# Altium PCB LAUNCHXL-F28379D-REV2.0.PcbDoc (part 4 of 4)
Units mil, origin at the board's own origin, x right, y up, seen from the top; angles counter-clockwise.
Board outline 5110 x 2300 mil, 6 copper layers (Top, GND, Route1, Route2, VDD, Bottom), stack 61.008 mil thick; 247 components, 311 nets, 1123 pads, 621 vias.
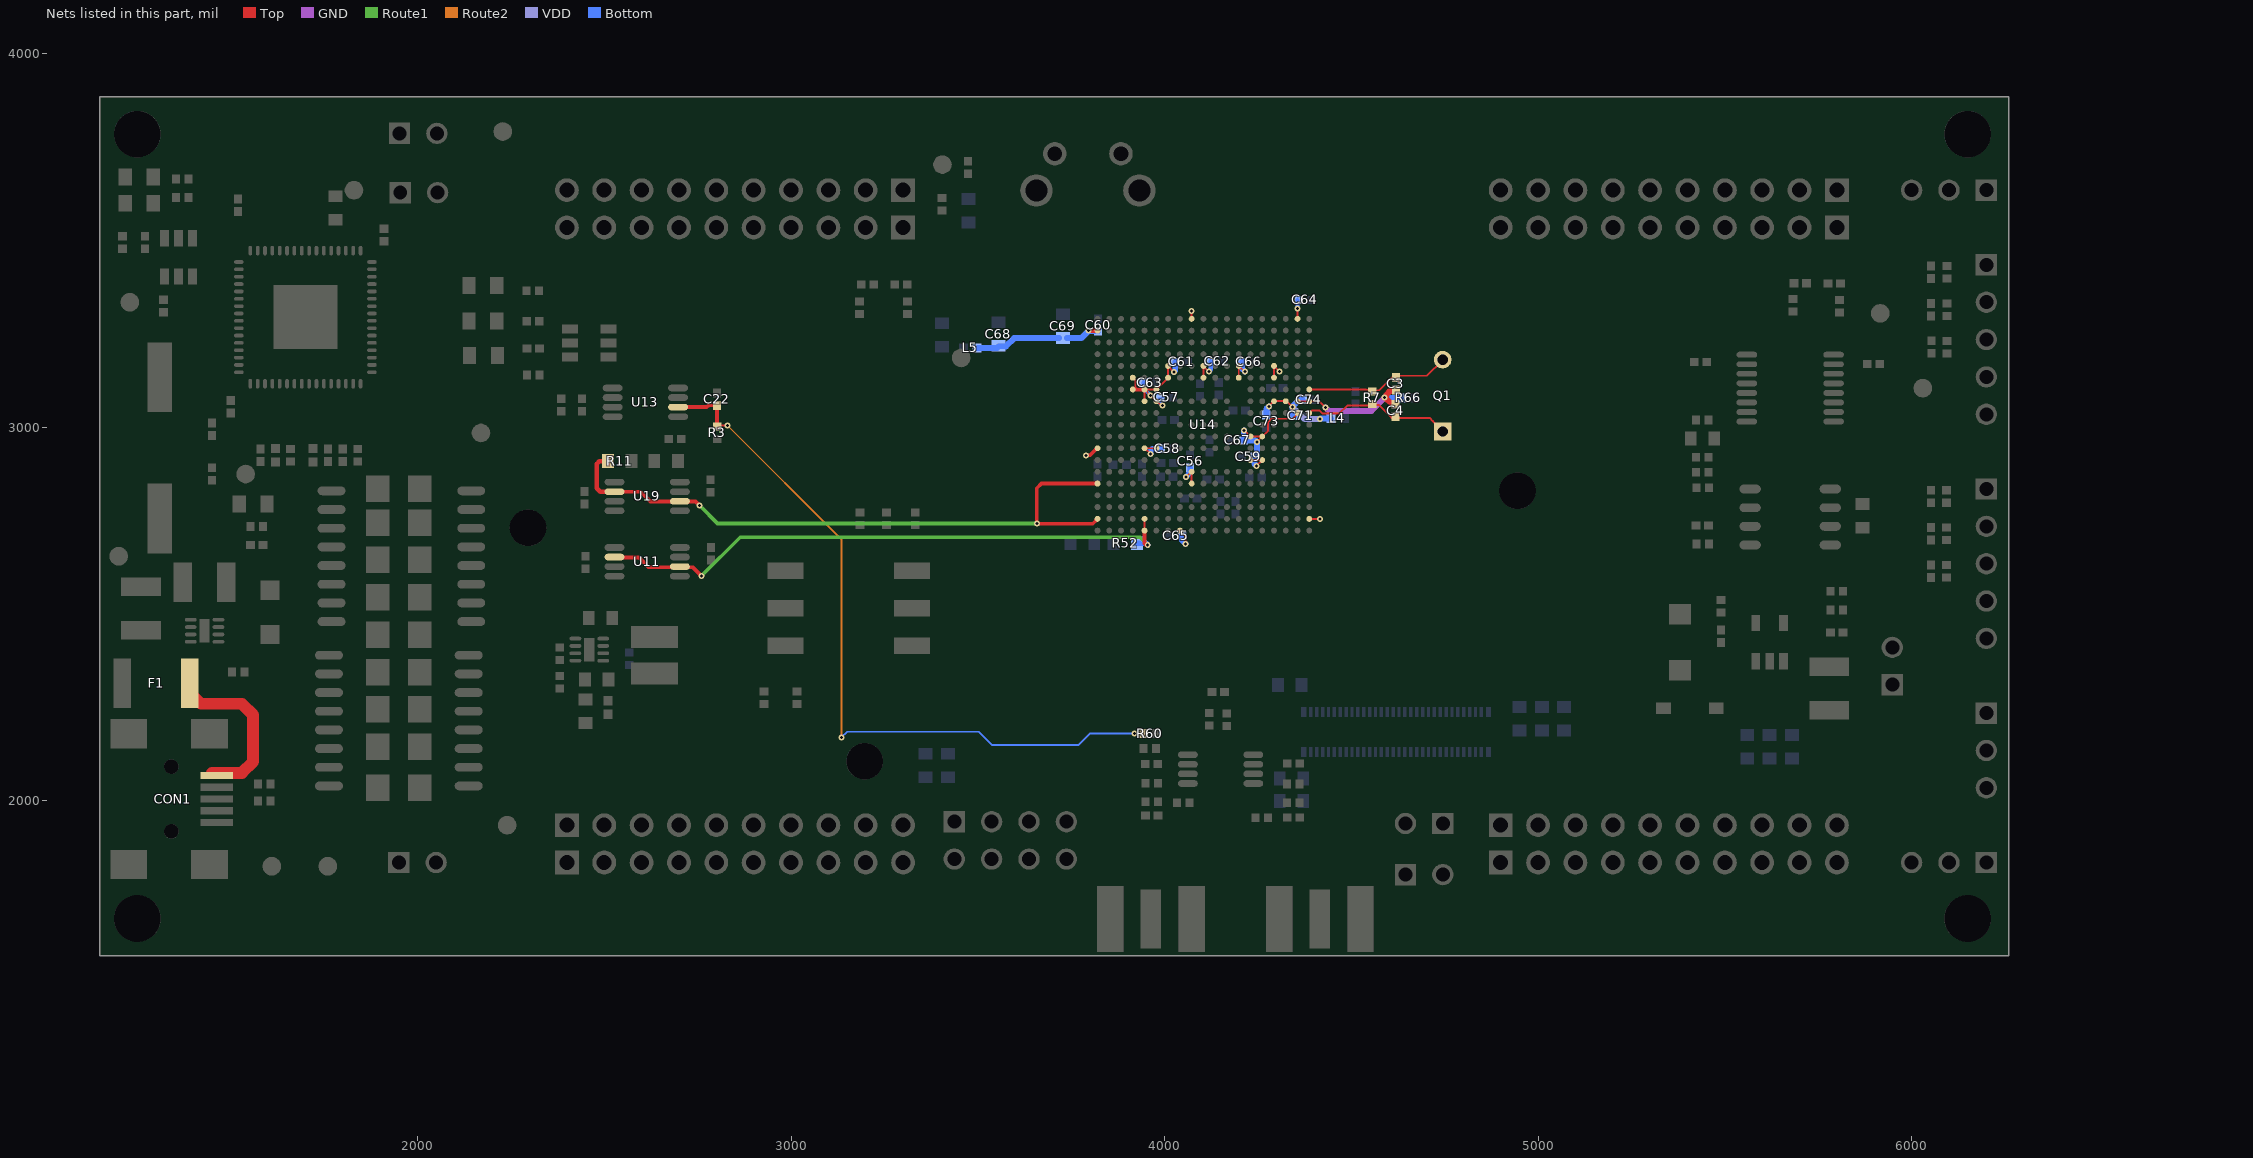
[diagram p8: the nets of this part, all layers, seen from the top]

## Via types
v1: diameter 16/16/16/16/16/16 (per signal layer), hole 8, Top to Bottom, tented both sides, 453 vias
v2: diameter 20/20/20/20/20/20 (per signal layer), hole 12, Top to Bottom, tented both sides, 122 vias
v3: diameter 16, hole 8, Top to Bottom, tented both sides, 22 vias
v4: diameter 20, hole 8, Top to Bottom, tented both sides, 16 vias
v5: diameter 23/23/23/23/23/23 (per signal layer), hole 15, Top to Bottom, tented both sides, 4 vias
v6: diameter 20, hole 12, Top to Bottom, tented both sides, 4 vias

## Nets (pads, with @x,y where several pads share a name; then routed paths per layer and width w, separated by ;. In a path a pad name is that pad's centre, name@x,y a point inside that pad or via, vN(x,y) a via of type N, cw(c..) or ccw(c..) an arc to the next point about the centre after c; other vN are vias at no path point) (continued)
VDDIO: C56.2 C57.1 C58.2 C59.2 C60.2 C61.2 C62.2 C63.2 C64.2 C65.2 C66.2 C67.2 C68.2 C69.2 L5.2 U14.A9 U14.A18 U14.B1 U14.E7 U14.E10 U14.E13 U14.E16 U14.F4 U14.F7 U14.F10 U14.F13 U14.F16 U14.G4 U14.G5 U14.G6 U14.H5 U14.H6 U14.J18 U14.L14 U14.L15 U14.M1 U14.M5 U14.M6 U14.N14 U14.N15 U14.P9 U14.R9 U14.V19 U14.W8 | length 1774.1
  Top w5: U14.F4@3915.06,3132.98 3922,3126.04 U14.G4@3922,3101.49 ; U14.M5@3946.56,2944.01 U14.M5@3947.01,2944.01 ; U14.H5@3946.56,3069.99 3946.56,3101.44 v1(3963,3085) v1(3963,3085) U14.H6@3978.06,3069.99 3979.01,3069.99 3992,3058 v1(3994,3058) ; U14.G5@3946.56,3101.49 U14.G6@3978.06,3101.49 ; v1(3963,2929) U14.M5@3947.01,2944.01 ; U14.M6@3978.06,2944.01 U14.M5@3947.01,2944.01 ; U14.G6@3978.51,3101.49 3978.51,3101.94 U14.F7@4009.55,3132.98 U14.E7@4009.55,3163.45 ; U14.E7@4009.55,3164.48 U14.E7@4009.55,3163.45 ; v1(4025,3148) U14.E7@4009.55,3163.45 ; U14.W8@4042.46,2723.54 U14.W8@4041.05,2723.54 4051.5,2713.08 4056.5,2707.58 v1(4056.5,2688) ; v1(4057,2867) 4071.02,2881.02 U14.P9@4072.54,2881.02 U14.R9@4072.54,2849.52 ; v1(4072,3312) 4072.54,3310.46 U14.A9@4072.54,3290.46 ; U14.F10@4104.04,3132.98 U14.E10@4104.04,3162.96 ; U14.E10@4104.04,3164.48 U14.E10@4104.04,3162.96 ; v1(4119,3149) U14.E10@4104.04,3162.96 ; U14.F13@4198.53,3132.98 U14.E13@4198.53,3163.47 ; U14.E13@4198.53,3164.48 U14.E13@4198.53,3163.47 ; v1(4213,2992) 4229.5,2975.5 U14.L15@4261.52,2975.5 ; v1(4215,3149) U14.E13@4198.53,3163.47 ; U14.N14@4230.02,2912.51 U14.N15@4261.52,2912.51 v1(4246,2897) ; v1(4247,2961) U14.L15@4261.52,2975.5 ; U14.F16@4293.02,3132.98 U14.E16@4293.02,3163.98 ; U14.E16@4293.02,3164.48 U14.E16@4293.02,3163.98 ; v1(4308,3149) U14.E16@4293.02,3163.98 ; U14.J18@4356.01,3038.5 4356.01,3036.01 4343,3023 4286,3023 4277,3014 4277,2990.98 U14.L15@4261.52,2975.5 ; U14.A18@4356.01,3290.46 4356.01,3313.99 v1(4356,3318) ; U14.V19@4387.5,2755.03 v1@4414.97,2755.03 ; v1@4415,2755 v1(4416,2755)
  Top w10: v1(3790,2925) 3800,2925 3819.01,2944.01 U14.M1@3820.58,2944.01 ; U14.G4@3922,3101.49 U14.G5@3946.56,3101.49 ; U14.G6@3978.06,3101.49 3978.51,3101.49 U14.G6@3979,3101
  Top w12: v1(3797,3259) U14.B1@3820.58,3258.97
  Bottom w5: C57.1@3985,3075.32 3989.49,3077.57 C57.1@3997.04,3081.35 ; v1(4025,3148) v1@4025.2,3148.8 ; v1(4119,3149) v1@4120.8,3149.8 ; v1@4243.55,2902 v1(4246,2897)
  Bottom w10: C63.2@3943.27,3120 3943.27,3104.73 v1(3963,3085) ; C57.1@3985,3075.32 3985,3067 v1(3994,3058) ; C61.2@4026.2,3175 C61.2@4026.2,3176.96 ; C67.2@4206,2967 4206,2966 4205.5,2966 4206.5,2965 C67.2@4211.73,2965 ; C59.2@4243.14,2921.41 4243.14,2899.86 v1(4246,2897) ; v1(4356,3318) 4356,3341 C64.2@4356.24,3341.24
  Bottom w12: v1(4119,3149) 4123.75,3153.75 C62.2@4123.75,3176.35
  Bottom w15: v1(3797,3259) 3798.73,3257.27 C60.2@3822,3257.27 ; v1(3963,2929) 3963,2938 3967.76,2942.76 C58.2@3989.96,2942.76 ; v1(4025,3148) 4028.27,3151.27 C61.2@4028.27,3175 ; C65.2@4046.73,2710 4046.73,2697.77 v1(4056.5,2688) ; v1(4057,2867) 4068.61,2878.61 C56.2@4068.61,2892.5 ; C66.2@4208.27,3175 4208.27,3155.73 v1(4215,3149) ; C67.2@4211.73,2965 4211.73,2990.73 v1(4213,2992)
  Bottom w16: L5.2@3499.79,3212.69 3551.63,3212.69 3555.17,3216.23 3556,3217 3556.16,3217.16 3575.32,3216.73 3597.58,3239 C69.2@3717.98,3239 ; C69.2@3738.4,3239 3777,3239 v1(3797,3259) ; C67.2@4211.73,2965 4243,2965 v1(4247,2961) 4247,2925.27 C59.2@4243.14,2921.41 ; C59.2@4240.19,2921.41 4240.19,2902.81 v1@4243.14,2899.86
VDDOSC: C71.2 C73.2 C74.2 L4.2 U14.H16 U14.H17 | length 280.3
  Top w5: v1(4279,3056) 4294,3071 4326,3071 v1(4342,3055)
  VDD w16: v1(4342,3055) 4351.69,3045 4374.69,3022 v1@4416,3022
  Bottom w5: L4.2@4435,3023 L4.2@4434.98,3023.45
  Bottom w16: C73.2@4272.32,3033.17 4272.32,3049.32 v1(4279,3056) ; C71.2@4346.91,3030.68 4342,3035.59 v1(4342,3055) 4360.8,3073.8 C74.2@4368.91,3073.8 ; v1(4416,3023) 4416.88,3023.88 L4.2@4445.21,3023.88
VOCM: C22.2 R3.1 R60.1 U13.6 | length 1996.7
  Top w5: R3.1@2802.41,3001.94 2805.47,3005 v3(2830,3005) ; v3(3920,2180) R60.1@3943.27,2180
  Top w10: U13.6@2697.6,3054.2 2774.2,3054.2 2778.83,3058.83 C22.2@2801.74,3058.83 2801.74,3005.56 2801.74,3002.61 R3.1@2802.41,3001.94
  Top w12: R3.1@2801.06,3006.24 2801.74,3005.56 R3.1@2802.41,3004.89
  Route2 w5: v3(2830,3005) 3135,2700 v3(3135,2170)
  Bottom w5: v3(3135,2170) 3150,2185 3502.5,2185 3537.5,2150 3770,2150 3800,2180 v3(3920,2180)
VREFHIA: R11.2 U14.R1 U14.V1 U19.2 U19.6 | length 1747.6
  Top w10: U19.6@2529.89,2827.3 2597.7,2827.3 2623.5,2801.5 2702.91,2801.5 2703.11,2801.7 2703.44,2801.37 2744.63,2801.37 v1(2755.5,2790.5) ; U14.R1@3820.09,2850 U14.R1@3820.58,2849.52 3670.52,2849.52 3658,2837 3658,2742 v1(3658.5,2742.5) 3659,2742 3807.54,2742 U14.V1@3820.58,2755.03
  Top w12: R11.2@2509.9,2909.36 2509.54,2909 2487,2909 2480,2902 2480,2837 2489.7,2827.3 U19.6@2529.89,2827.3
  Route1 w10: v1(2755.5,2790.5) 2803.5,2742.5 v1(3658.5,2742.5)
VREFHIB: R52.2 U11.2 U11.6 U14.V5 U14.W5 | length 1607.4
  Top w5: U14.W5@3946.56,2723.54 U14.V5@3946.56,2755.03
  Top w10: U11.6@2526.89,2651.3 2592.7,2651.3 2618.5,2625.5 2699.91,2625.5 2700.22,2625.81 2736.19,2625.81 v1(2760.5,2602.5) ; U14.W5@3946.56,2723.54 3946.56,2688.56 3950.12,2685 v1(3955,2685)
  Route1 w10: v1(2760.5,2602.5) 2864,2706 3934,2706 v1(3955,2685)
  Bottom w5: R52.2@3919.13,2687.57 R52.2@3919.55,2688
  Bottom w15: R52.2@3926.5,2690 3950,2690 v1(3955,2685)
VSSOSC: C3.2 C4.2 R66.1 U14.H18 U14.H19 | length 377
  Top w5: U14.H18@4356.01,3069.99 4414.01,3069.99 v1(4431,3053)
  Top w16: C4.2@4618.72,3064.77 4607.23,3064.77 v1(4589,3080) 4602.74,3096.74 C3.2@4619.11,3096.74
  GND w16: v1(4431,3053) 4440,3044 4554,3044 v1(4589,3080)
  Bottom w16: v1(4589,3080) 4590,3079 R66.1@4633.32,3079
X1: C3.1 Q1.2 R7.2 U14.G19 | length 393
  Top w5: U14.G19@4387.5,3101.49 4539.99,3101.49 4556.13,3099.35 4575.35,3099.35 4614,3138 C3.1@4617.22,3138 ; C3.1@4619.11,3136.11 C3.1@4617.22,3138 ; Q1.2@4744.54,3180.02 4701.52,3138 C3.1@4617.22,3138
X2: C4.1 Q1.1 R7.1 U14.J19 | length 401.1
  Top w5: U14.J19@4387.5,3038.5 4394.01,3045 4415.5,3045 4423.5,3037 4466.93,3037 4490,3059 4543.11,3059 4556.13,3059.98 4573.02,3059.98 4607.6,3025.4 4709.85,3025.4 4718.39,3016.87 Q1.1@4744.54,2990.02
XUSB: CON1.1 F1.1 | length 470
  Top w5: CON1.1@1459.11,2067.99 CON1.1@1459.11,2070.89
  Top w32: F1.1@1390.55,2315 1390.55,2289.45 1420,2260 1530,2260 1560,2230 1560,2105 1530,2075 CON1.1@1450,2075
pads on no net: CON1.4 CON1.6 CON1.7 CON1.8 CON1.9 CON1.10 CON1.11 J9.0 S3.3 S3.4 U5.7 U6.22 U6.23 U6.24 U6.26 U6.27 U6.28 U6.29 U6.30 U6.33 U6.34 U6.43 U6.44 U6.45 U6.46 U6.48 U6.52 U6.53 U6.57 U6.58 U6.59 U7.6 U7.11 U11.1 U11.5 U11.8 U13.1 U13.3 U13.7 U13.8 U19.1 U19.5 U19.8

## Polygon pours and split planes (outlines as drawn)
GND on Top "Top-GND" (solid, remove dead copper, pour order 0): 5470,2436 5517.43,2436 5667.43,2436 5694.49,2463.06 5693.99,2599.56 5707.43,2613 5794.5,2613 5794.5,2550 5770,2550 5744.5,2524.5 5744.5,2433.07 5761.57,2416 5830,2416 5830,2354.43 5821.57,2346 5737.43,2346 5673.43,2410 5645.57,2410 5619.5,2383.93 5593.43,2410 5555.57,2410 5544.5,2398.93 5544.5,2346 5482,2346 5470,2358
GND on Top "Top-GND 1" (solid, remove dead copper, pour order 2): 2275,2110 2167.93,2110 2155,2097.07 2155,2082.93 2177.93,2060 2217.93,2060 2235,2042.93 2235,2027.07 2207.93,2000 2082.07,2000 2065,2017.07 2065,2080 2037.93,2080 1995,2037.07 1995,2027.07 1975,2007.07 1975,1992.93 2037.93,1930 2117.93,1930 2137.93,1910 2275,1910
GND on Top "Top-GND 2" (solid, remove dead copper, pour order 4): 2399.79,2535.5 2475.5,2535.5 2475.5,2359.79 2470.5,2354.79 2470.5,2254.5 2429.5,2254.5 2429.5,2309.79 2424.5,2314.79 2424.5,2355.5 2429.79,2355.5 2444.5,2370.21 2444.5,2444.79 2434.79,2454.5 2399.79,2454.5 2389.5,2464.79 2389.5,2525.21
GND on Top "Top-GND 3" (solid, remove dead copper, pour order 8): 4429.46,3145 4490,3145 4535,3190 4565.46,3190 4642.5,3267.04 4684.96,3309.5 4811.55,3309.5 4842.5,3278.02 4842.5,2877.94 4824.01,2860 4684.46,2860 4604.96,2939.5 4425.96,2939.5 4420.5,2944.96 4420.5,2977.04 4425.96,2982.5 4613.96,2982.5 4630.46,2999 4675,2999 4691.5,2982.5 4691.5,2971.04 4714.04,2948.5 4771.96,2948.5 4782.5,2959.04 4782.5,3201.96 4766.96,3217.5 4723.04,3217.5 4704.5,3198.96 4704.5,3184.5 4676,3156 4600.54,3156 4564.54,3120 4535,3120 4530,3115 4429.46,3115 4424.47,3120 4424.47,3140
+3V3 on Top "Top-+3V3" (solid, remove dead copper, pour order 14): 2202.07,3030 2057.93,3030 2025,2997.07 2025,2955 1975,2905 1975,2820 2025,2820 2030,2820 2202.07,2820 2215,2832.93 2215,3017.07
+3V3 on Top "Top-+3V3 1" (solid, remove dead copper, pour order 16): 2342.93,1885 2035,1885 2025,1875 2025,1780 2055,1750 2395,1750 2430,1785 2430,1865 2362.93,1865
+3V3 on Top "Top-+3V3 2" (solid, remove dead copper, pour order 18): 5304.5,2576 5304.5,2498.93 5353.43,2450 5590,2450 5600,2460 5600,2516 5454.5,2516 5454.5,2576
+3V3 on Top "Top-+3V3 3" (solid, remove dead copper, pour order 20): 2489.5,2440.21 2489.5,2429.5 2530.21,2429.5 2545.5,2444.79 2545.5,2470.5 2559.5,2484.5 2570.21,2484.5 2580.5,2494.79 2580.5,2518.18 2570.23,2530.5 2499.5,2530.5 2499.5,2450.21
+3V3 on Top "Top-+3V3 4" (solid, remove dead copper, pour order 22): 2380.5,2525.21 2370.21,2535.5 2349.79,2535.5 2339.5,2525.21 2339.5,2464.79 2349.79,2454.5 2370.21,2454.5 2380.5,2464.79
USBVCC on Top "Top-USBVCC" (solid, remove dead copper, pour order 26): 1355,2470 1342.07,2470 1332.07,2480 1197.93,2480 1175,2457.07 1175,2252.93 1182.93,2245 1277.07,2245 1295,2262.93 1295,2382.93 1355,2442.93
AGND on Top "Top-AGND" (solid, remove dead copper, pour order 30): 1186.46,2631.46 1186.46,2665 1214.31,2665 1239.31,2640 1382.07,2640 1395,2627.07 1395,2575 1425,2545 1425,2502.93 1422.07,2500 1177.93,2500 1175,2502.93 1175,2620
AGND on Top "Top-AGND 1" (solid, remove dead copper, pour order 32): 1555,3440 1832.07,3440 1845,3427.07 1845,3252.93 1815,3222.93 1815,3197.07 1835,3177.07 1835,3150 1555,3150
FTDI_3V3 on Top "Top-FTDI_3V3" (solid, remove dead copper, pour order 38): 1565,2710 1460,2710 1445,2695 1445,2560 1465,2540 1602.07,2540 1625,2562.93 1625,2650 1565,2650
FTDI_3V3 on Top "Top-FTDI_3V3 1" (solid, remove dead copper, pour order 40): 1725,2037.07 1725,1842.93 1737.93,1830 1807.93,1830 1857.93,1780 1980,1780 1980,1930 1950,1960 1842.07,1960 1835,1967.07 1835,2027.07 1812.07,2050 1737.93,2050
FTDI_3V3 on Top "Top-FTDI_3V3 2" (solid, remove dead copper, pour order 44): 1865,3000 1865,2930 1850,2915 1830,2915 1830,2870 1800,2840 1800,2820 1840,2820 1925,2820 1925,3000
VDD on Top "Top-VDD" (solid, remove dead copper, pour order 50): 2379.5,2235.5 2379.5,2064.5 2545.21,2064.5 2560.5,2079.79 2560.5,2240 2495,2240 2490.5,2235.5
+1V2 on Top "Top-+1V2" (solid, remove dead copper, pour order 54): 2489.5,2380.5 2535.21,2380.5 2550.71,2365 2685,2365 2685,2310 2585.71,2310 2535.71,2260 2489.5,2260
NetL8_1 on Top "Top-N$30" (solid, remove dead copper, pour order 56): 2489.5,2420.5 2489.5,2409.5 2690,2409.5 2690,2470.5 2570.5,2470.5 2559.5,2459.5 2559.5,2445.21 2534.79,2420.5
NetC25_2 on Top "Top-N$42" (solid, remove dead copper, pour order 58): 5734.5,2273.97 5734.5,2209.97 6025.54,2209.97 6030.29,2214.71 6030.29,2355.77 6025.55,2360.5 5905,2360.5 5890.24,2345.28 5890.24,2295.24 5869,2274
GND on GND "GND-GND" (solid, remove dead copper, pour order 6): 2025,3854.54 2025,1615 2040.5,1599.5 6195.04,1599.5 6253.5,1657.96 6253.5,3851.5 6234.5,3870.5 2040.96,3870.5
AGND on GND "GND-AGND" (solid, remove dead copper, pour order 34): 1155,3865 1985,3865 1985,1605 1505,1605 1495,1615 1495,2225 1490,2230 1435,2285 1435,2362.93 1407.93,2390 1155,2390
GND on Route2 "Route2-GND" (solid, remove dead copper, pour order 12): 2020,3850 2020,3277 2018,3277 2018,1598 6243,1598 6243,3870 2040,3870
AGND on Route2 "Route2-AGND" (solid, remove dead copper, pour order 36): 1170.83,3855 1979,3855 1979,1602 1488,1602 1488,2334 1170.01,2334 1168,3839.45
+3V3 on VDD "VDD-+3V3" (solid, remove dead copper, pour order 24): 2035,3855 2035,1619 6119,1619 6119,3485 6240,3485 6240,3855 5070.99,3855 5070.99,2556.99 3704.02,2556.99 3704.02,2275.54 2799.47,2275.54 2795.69,2271.89 2680,2160 2377.98,2160 2377.98,2280 2377.98,2486.5 2396.48,2505 2530,2505 3360,2505 3495,2505 3495,3430 4236.24,3430 4297,3490.76 4297,3855
USBVCC on VDD "VDD-USBVCC" (solid, remove dead copper, pour order 28): 1335,2395 1335,2465 1284.81,2515.19 1284.81,3595.19 1295,3605.38 1585.38,3605.38 1636.76,3554 1980,3554 1980,3859 1170,3859 1170,2395
FTDI_3V3 on VDD "VDD-FTDI_3V3" (solid, remove dead copper, pour order 42): 1298.99,3589 1298.99,2531.01 1505,2325 1505,1619.99 1595,1619.99 1971.51,1619.99 1975,1623.48 1975,3542 1629.26,3542 1583.27,3589
VDDIO on VDD "VDD-VDDIO" (solid, remove dead copper, pour order 48): 5055.5,2571.49 3701.52,2571.49 3701.52,2935.43 3920,2935.43 4065.46,2935.43 4065.46,2800.55 4115,2800.55 4115,2845 4215,2845 4215,2920.12 4275,2920.12 4275,3110.47 4175,3110.47 4175,3175.5 4135,3175.5 4135,3125 4105,3125 4105,3175.47 4050.5,3175.47 4050.5,3162.99 4050.5,3044.5 3512.51,3044.5 3511.49,3405.49 4326.5,3405.49 4326.5,3858.5 5055.5,3858.5
VDD on VDD "VDD-VDD" (solid, remove dead copper, pour order 52): 3865,3036.5 3923,3036.5 4058.52,3036.5 4058.52,3170.5 4100,3170.5 4100,3120 4140,3120 4140,3170.5 4165.5,3170.5 4165.5,3100.47 4264.54,3100.47 4264.54,2935 4260,2930.04 4204.5,2930.04 4204.5,2855 4104.61,2855 4104.61,2810 4075,2810 4075,2949.49 3688.49,2949.49 3688.49,2300.5 2795.02,2300.5 2677.03,2184.5 2398.51,2184.5 2398.51,2483.51 3510,2483.51 3510,3036.5
+5V on Route1 "Route1-+5V" (solid, remove dead copper, pour order 46): 6247.5,3484.99 5765.5,3485 5720.5,3440 5720.5,1953.94 5721.37,1936.5 5080.04,1936.5 5026.04,1990.5 2718.19,1990.5 2641.5,2067.19 2641.5,3815 2606,3850.5 2034.4,3850.5 2018.5,3834.61 2018.5,1690.03 2017.47,1606.28 5250,1606.28 6155,1606.28 6196.99,1606.28 6247.5,1660.96
AGND on Route1 "GND-AGND" (solid, remove dead copper, pour order 64): 1157.66,3865 1987.66,3865 1987.66,1605 1507.66,1605 1497.66,1615 1497.66,2225 1492.66,2230 1437.66,2285 1437.66,2362.93 1410.59,2390 1157.66,2390
GND on Route1 "Route1-No Net" (solid, remove dead copper, pour order 74): 2665,3820 2665,2080 2725,2020 2780,2020 3295,2020 3335,2060 3340,2065 3340,2170 3340,2185 3480,2325 3485,2330 4100,2330 5670,2330 5690,2350 5690,2380 5690,3475 5745,3535 5945,3535 6105,3535 6155,3585 6155,3665 6140,3680 6135,3685 6125,3695 6065,3755 6065,3835 6050,3850 2695,3850
GND on Bottom "AutoNaming" (solid, remove dead copper, pour order 62): 4020,3095 4185,3095 4190,3090 4190,3050 4190,3005 4190,2935 4195,2930 4215,2930 4215,2925 4215,2890 4210,2885 4145,2885 4145,2905 4145,2940 4135,2950 4105,2950 4095,2940 4095,2920 4050,2920 4040,2910 4040,2875 4040,2865 4035,2860 4020,2860 4015,2865 4015,3030 4015,3060 4020,3065
AGND on Bottom "GND-AGND" (solid, remove dead copper, pour order 70): 1157.66,3865 1987.66,3865 1987.66,1605 1507.66,1605 1497.66,1615 1497.66,2225 1492.66,2230 1437.66,2285 1437.66,2362.93 1410.59,2390 1157.66,2390
GND on Bottom "GND-GND" (solid, remove dead copper, pour order 72): 2025.11,3855.04 2025.11,1615.5 2040.61,1600 6195.15,1600 6253.61,1658.46 6253.61,3852 6234.61,3871 2041.08,3871

## Keep-outs
Keep-Out Layer:
  the board outline again, w10

## Other copper
Bottom:
  text "LAUNCHXL-F28379D" at 1861.49,3708.01 h34

## Silkscreen, mask and mechanical layers (free items; w line width, h text height)
Top Overlay:
  circle w5: c2065,2040 r7.07
  circle w5: c1840,2830 r10
  circle w10: c4740,3795 r58.31
  rectangle: 1990,2885 2030,3575
  rectangle: 1990,1895 2030,1985
  rectangle: 1990,1585 2030,1775
  rectangle: 1990,3695 2030,3885
  region: 2365,2030 2435,2030 2400,1995
  region: 2435,1730 2365,1730 2400,1765
  region: 4935,1730 4865,1730 4900,1765
  region: 4865,2030 4935,2030 4900,1995
  lines w2: 2465,2030 2465,2150 2535,2150 2535,2030 2500,1995 2465,2030 ; 4965,2030 4965,2150 5035,2150 5035,2030 5000,1995 4965,2030
  lines w3: 2365,3740 2400,3705 2435,3740 2435,3860 2365,3860 2365,3740 ; 4865,3740 4865,3860 4935,3860 4935,3740 4900,3705 4865,3740
  lines w5: 1930,2855 ccw(c1950,2857.5) 1970,2855 ; 1935,2010 cw(c1952.5,2010) 1970,2010
  lines w10: 4695,3830 4775,3750 ; 3984,3665 3984,3865 4824,3865 4824,3665 3984,3665
  text "For evaluation only;" at 4012,3811 h34
  text "Pb" at 4705,3775 h42.5
  text "not FCC approved" at 4008,3751 h34
  text "GND" at 2115,3750 h28
  text "GND" at 2420,3740 h38 r90
  text "GND" at 4920,3740 h38 r90
  text "19" at 2515,3710 h30 r90
  text "18" at 2615,3710 h30 r90
  text "17" at 2715,3710 h30 r90
  text "16" at 2815,3710 h30 r90
  text "15" at 2915,3710 h30 r90
  text "14" at 3015,3710 h30 r90
  text "13" at 3115,3710 h30 r90
  text "12" at 3215,3710 h30 r90
  text "11" at 3310,3710 h30 r90
  text "59" at 5015,3710 h30 r90
  text "58" at 5115,3710 h30 r90
  text "57" at 5215,3710 h30 r90
  text "56" at 5315,3710 h30 r90
  text "55" at 5415,3710 h30 r90
  text "54" at 5515,3710 h30 r90
  text "53" at 5615,3710 h30 r90
  text "52" at 5715,3710 h30 r90
  text "51" at 5815,3710 h30 r90
  text "for resale." at 4006,3690 h34
  text "94V-0" at 4629,3683 h34
  text "5V" at 2135,3590 h28
  text "3V3" at 6215,3495 h30 r90
  text "GND" at 6015,3490 h30 r90
  text "GND" at 6115,3490 h30 r90
  text "Reset" at 3694.72,3483.77 h42.5
  text "71" at 5815,3420 h30 r90
  text "34" at 3015,3415 h30 r90
  text "33" at 3115,3415 h30 r90
  text "32" at 3220,3415 h30 r90
  text "31" at 3315,3415 h30 r90
  text "80" at 4915,3415 h30 r90
  text "79" at 5015,3415 h30 r90
  text "78" at 5115,3415 h30 r90
  text "77" at 5215,3415 h30 r90
  text "76" at 5320,3415 h30 r90
  text "75" at 5420,3415 h30 r90
  text "74" at 5515,3415 h30 r90
  text "73" at 5615,3415 h30 r90
  text "72" at 5715,3415 h30 r90
  text "40" at 2415,3410 h30 r90
  text "39" at 2515,3410 h30 r90
  text "38" at 2615,3410 h30 r90
  text "37" at 2715,3410 h30 r90
  text "36" at 2820,3410 h30 r90
  text "35" at 2920,3410 h30 r90
  text "GND" at 5860,3200 h28
  text "+3V3" at 2140,3025 h28
  text "XDS100v2" at 1975,2995 h56.1 r90
  text "GND" at 6032.98,2992.49 h28 r90
  text "+5V-BOOST" at 6050,2330 h25 r90
  text "VER:2.0" at 5244.73,2281.39 h42.5 r90
  text "Boot" at 3135,2280 h27.2
  text "TMS320F28379D" at 5163.32,2269.49 h42.5 r90
  text "CAN-H" at 5985,2200 h30
  text "CAN-L" at 5985,2125 h30
  text "5V" at 2435,2030 h60 r90
  text "GND" at 2520,2030 h38 r90
  text "5V" at 4935,2030 h60 r90
  text "GND" at 5020,2030 h38 r90
  text "GND" at 6040,2025 h30
  text "70" at 5815,2020 h30 r90
  text "66" at 5415,2015 h30 r90
  text "67" at 5515,2015 h30 r90
  text "68" at 5615,2015 h30 r90
  text "69" at 5715,2015 h30 r90
  text "63" at 5120,2010 h30 r90
  text "64" at 5220,2010 h30 r90
  text "65" at 5315,2010 h30 r90
  text "23" at 2615,2005 h30 r90
  text "24" at 2715,2005 h30 r90
  text "25" at 2815,2005 h30 r90
  text "26" at 2915,2005 h30 r90
  text "27" at 3010,2005 h30 r90
  text "28" at 3115,2005 h30 r90
  text "30" at 3315,2005 h30 r90
  text "29" at 3215,1995 h30 r90
  text "5V" at 6210,1905 h30 r90
  text "GND" at 6015,1900 h30 r90
  text "GND" at 6110,1900 h30 r90
  text "3V3" at 2120,1760 h28
  text "8" at 3120,1710 h30 r90
  text "7" at 3015,1705 h30 r90
  text "9" at 3220,1705 h30 r90
  text "10" at 3320,1705 h30 r90
  text "5" at 2820,1700 h30 r90
  text "6" at 2915,1700 h30 r90
  text "2" at 2515,1695 h30 r90
  text "3" at 2615,1695 h30 r90
  text "4" at 2720,1695 h30 r90
  text "43" at 5115,1695 h30 r90
  text "44" at 5215,1695 h30 r90
  text "45" at 5320,1695 h30 r90
  text "46" at 5415,1695 h30 r90
  text "47" at 5515,1695 h30 r90
  text "48" at 5615,1695 h30 r90
  text "49" at 5720,1695 h30 r90
  text "50" at 5815,1695 h30 r90
  text "42" at 5015,1690 h30 r90
  text "3V3" at 2435,1610 h60 r90
  text "3V3" at 4935,1610 h60 r90
Bottom Overlay:
  region: 6230,3565 6170,3565 6200,3595
  region: 6170,1905 6230,1905 6200,1875
  region: 4865,1730 4935,1730 4900,1765
  region: 4960,2035 4890,2035 4925,2000
  region: 2435,2030 2365,2030 2400,1995
  region: 2365,1730 2435,1730 2400,1765
  lines w2: 2465,2030 2465,2150 2535,2150 2535,2030 2500,1995 2465,2030 ; 4965,2035 4965,2155 5035,2155 5035,2035 5000,2000 4965,2035
  lines w3: 2365,3740 2400,3705 2435,3740 2435,3860 2365,3860 2365,3740 ; 4865,3740 4865,3860 4935,3860 4935,3740 4900,3705 4865,3740 ; 5970,1905 5970,1995 6030,1995 6030,1905 6000,1875 5970,1905 ; 5970,3475 6030,3475 6030,3565 6000,3595 5970,3565 5970,3475 ; 6065,1905 6095,1875 6125,1905 6125,1995 6065,1995 6065,1905 ; 6070,3475 6070,3565 6100,3595 6130,3565 6130,3475 6070,3475
  lines w8: 4395.78,3562.65 cw(c4474.78,3570.65) 4553.78,3562.65 ; 4395.78,3562.65 cw(c4474.78,3570.65) 4553.78,3562.65 ; 4395.78,3562.65 4419.78,3562.65 ; 4395.78,3562.65 4419.78,3562.65 ; 4395.78,3698.65 cw(c4474.78,3704.36) 4553.78,3698.65 ; 4395.78,3698.65 cw(c4474.78,3704.36) 4553.78,3698.65 ; 4395.78,3698.65 4419.78,3698.65 ; 4395.78,3698.65 4419.78,3698.65 ; 4399.78,3567.65 cw(c4474.28,3570.65) 4548.78,3567.65 ; 4399.78,3567.65 cw(c4474.28,3570.65) 4548.78,3567.65 ; 4399.78,3567.65 4413.78,3567.65 ; 4399.78,3567.65 4413.78,3567.65 ; 4399.78,3703.65 cw(c4474.28,3705.65) 4548.78,3703.65 ; 4399.78,3703.65 cw(c4474.28,3705.65) 4548.78,3703.65 ; 4399.78,3703.65 4413.78,3703.65 ; 4399.78,3703.65 4413.78,3703.65 ; 4404.78,3572.65 cw(c4474.28,3570.65) 4543.78,3572.65 ; 4404.78,3572.65 cw(c4474.28,3570.65) 4543.78,3572.65 ; 4404.78,3572.65 4408.78,3572.65 ; 4404.78,3572.65 4408.78,3572.65 ; 4404.79,3708.65 cw(c4474.28,3705.65) 4543.78,3708.65 ; 4404.79,3708.65 cw(c4474.28,3705.65) 4543.78,3708.65 ; 4404.78,3708.65 4408.78,3708.65 ; 4404.78,3708.65 4408.78,3708.65 ; 4408.78,3572.65 cw(c4474.77,3570.66) 4472.78,3636.65 ; 4408.78,3572.65 cw(c4474.77,3570.66) 4472.78,3636.65 ; 4408.78,3708.65 cw(c4474.78,3706.2) 4540.79,3708.65 ; 4408.78,3708.65 cw(c4474.78,3706.2) 4540.79,3708.65 ; 4413.78,3567.65 cw(c4474.85,3570.9) 4467.78,3631.65 ; 4413.78,3567.65 cw(c4474.85,3570.9) 4467.78,3631.65 ; 4413.78,3703.65 cw(c4474.78,3705.28) 4535.79,3703.65 ; 4413.78,3703.65 cw(c4474.78,3705.28) 4535.79,3703.65 ; 4419.78,3562.65 cw(c4475.1,3571.07) 4462.78,3625.65 ; 4419.78,3562.65 cw(c4475.1,3571.07) 4462.78,3625.65 ; 4419.78,3698.65 cw(c4474.78,3704.36) 4529.78,3698.65 ; 4419.78,3698.65 cw(c4474.78,3704.36) 4529.78,3698.65 ; 4462.78,3570.65 4486.78,3570.65 ; 4462.78,3570.65 4486.78,3570.65 ; 4462.78,3570.65 4462.78,3625.65 ; 4462.78,3570.65 4462.78,3625.65 ; 4467.78,3575.65 4481.78,3575.65 ; 4467.78,3575.65 4481.78,3575.65 ; 4467.78,3575.65 4467.78,3631.65 ; 4467.78,3575.65 4467.78,3631.65 ; 4472.78,3580.65 4476.78,3580.65 ; 4472.78,3580.65 4476.78,3580.65 ; 4472.78,3580.65 4472.78,3636.65 ; 4472.78,3580.65 4472.78,3636.65 ; 4476.78,3580.65 4476.78,3636.65 ; 4476.78,3580.65 4476.78,3636.65 ; 4476.78,3636.65 cw(c4474.8,3570.66) 4540.79,3572.65 ; 4476.78,3636.65 cw(c4474.8,3570.66) 4540.79,3572.65 ; 4481.78,3575.65 4481.78,3631.65 ; 4481.78,3575.65 4481.78,3631.65 ; 4481.78,3631.65 cw(c4474.71,3570.9) 4535.78,3567.65 ; 4481.78,3631.65 cw(c4474.71,3570.9) 4535.78,3567.65 ; 4486.78,3570.65 4486.78,3625.65 ; 4486.78,3570.65 4486.78,3625.65 ; 4486.78,3625.65 cw(c4474.46,3571.07) 4529.78,3562.65 ; 4486.78,3625.65 cw(c4474.46,3571.07) 4529.78,3562.65 ; 4529.78,3562.65 4553.78,3562.65 ; 4529.78,3562.65 4553.78,3562.65 ; 4529.78,3698.65 4553.78,3698.65 ; 4529.78,3698.65 4553.78,3698.65 ; 4535.78,3567.65 4548.78,3567.65 ; 4535.78,3567.65 4548.78,3567.65 ; 4535.78,3703.65 4548.78,3703.65 ; 4535.78,3703.65 4548.78,3703.65 ; 4540.78,3572.65 4543.78,3572.65 ; 4540.78,3572.65 4543.78,3572.65 ; 4540.78,3708.65 4543.78,3708.65 ; 4540.78,3708.65 4543.78,3708.65
  text "GND" at 2420,3840 h38 r90
  text "GND" at 4920,3840 h38 r90
  text "P61" at 2515,3810 h30 r90
  text "P123" at 2615,3810 h30 r90
  text "P122" at 2715,3810 h30 r90
  text "RST" at 2815,3810 h30 r90
  text "P58" at 2915,3810 h30 r90
  text "P59" at 3015,3810 h30 r90
  text "P124" at 3115,3810 h30 r90
  text "P125" at 3215,3810 h30 r90
  text "P29" at 3310,3810 h30 r90
  text "P66" at 5015,3810 h30 r90
  text "P131" at 5115,3810 h30 r90
  text "P130" at 5215,3810 h30 r90
  text "RST" at 5315,3810 h30 r90
  text "P63" at 5415,3810 h30 r90
  text "P64" at 5515,3810 h30 r90
  text "P26" at 5615,3810 h30 r90
  text "P27" at 5715,3810 h30 r90
  text "P25" at 5815,3810 h30 r90
  text "GPIO29->J2" at 3595,3745 h28 r90
  text "20" at 2325,3660 h30 r90
  text "60" at 4810,3650 h30 r90
  text "51" at 5910,3650 h30 r90
  text "11" at 3415,3645 h30 r90
  text "GND" at 6015,3570 h30 r90
  text "GND" at 6115,3570 h30 r90
  text "3V3" at 6230,3565 h50 r90
  text "80" at 4810,3560 h30 r90
  text "40" at 2325,3555 h30 r90
  text "31" at 3415,3550 h30 r90
  text "71" at 5910,3545 h30 r90
  text "P00" at 2415,3460 h30 r90
  text "P01" at 2515,3460 h30 r90
  text "P02" at 2615,3460 h30 r90
  text "P03" at 2715,3460 h30 r90
  text "P04" at 2820,3460 h30 r90
  text "P05" at 2920,3460 h30 r90
  text "P24" at 3015,3460 h30 r90
  text "P16" at 3110,3460 h30 r90
  text "DAC1" at 3215,3460 h30 r90
  text "DAC2" at 3320,3460 h30 r90
  text "P06" at 4915,3430 h30 r90
  text "P07" at 5010,3430 h30 r90
  text "P08" at 5115,3430 h30 r90
  text "P09" at 5210,3430 h30 r90
  text "P10" at 5320,3430 h30 r90
  text "P11" at 5420,3430 h30 r90
  text "P14" at 5515,3430 h30 r90
  text "P15" at 5615,3430 h30 r90
  text "DAC3" at 5715,3430 h30 r90
  text "DAC4" at 5815,3430 h30 r90
  text "GPIO40->J9" at 5025,2675 h28 r90
  text "GPIO52->J9" at 5080,2675 h28 r90
  text "GPIO41->J9" at 4965,2670 h28 r90
  text "GPIO52->J5" at 5570,2585 h28 r90
  text "GPIO41->J5" at 5635,2585 h28 r90
  text "GPIO40->J5" at 5700,2585 h28 r90
  text "GPIO105->J1" at 3375,2550 h28 r90
  text "GPIO104->J1" at 3430,2550 h28 r90
  text "GPIO104->J9" at 4260,2348.5 h28
  text "5V" at 4960,2155 h60 r90
  text "5V" at 2435,2150 h60 r90
  text "GND" at 5020,2140 h38 r90
  text "GND" at 2520,2130 h38 r90
  text "A14" at 2615,2085 h30 r90
  text "AC3" at 2715,2085 h30 r90
  text "AB3" at 2815,2085 h30 r90
  text "AA3" at 2915,2085 h30 r90
  text "AC2" at 3010,2085 h30 r90
  text "AB2" at 3110,2085 h30 r90
  text "AA0" at 3310,2085 h30 r90
  text "A15" at 5120,2080 h30 r90
  text "AC5" at 5220,2080 h30 r90
  text "AB5" at 5315,2080 h30 r90
  text "AA5" at 5415,2080 h30 r90
  text "AC4" at 5515,2080 h30 r90
  text "AB4" at 5615,2080 h30 r90
  text "AA4" at 5715,2080 h30 r90
  text "AA1" at 5815,2080 h30 r90
  text "AA2" at 3235,2010 h28
  text "5V" at 6230,1995 h50 r90
  text "GND" at 6015,1980 h30 r90
  text "GND" at 6110,1980 h30 r90
  text "70" at 5910,1960 h30 r90
  text "30" at 3400,1955 h30 r90
  text "61" at 4825,1955 h30 r90
  text "21" at 2320,1945 h30 r90
  text "GPIO29->J9" at 4265,1930 h28
  text "GPIO104->J9" at 4265,1878.5 h28
  text "10" at 3400,1860 h30 r90
  text "50" at 5910,1855 h30 r90
  text "1" at 2320,1850 h30 r90
  text "41" at 4825,1850 h30 r90
  text "P32" at 2515,1755 h30 r90
  text "P19" at 2615,1755 h30 r90
  text "P18" at 2720,1755 h30 r90
  text "P67" at 2820,1755 h30 r90
  text "P111" at 2915,1755 h30 r90
  text "P60" at 3015,1755 h30 r90
  text "P22" at 3120,1755 h30 r90
  text "P105" at 3220,1755 h30 r90
  text "P104" at 3320,1755 h30 r90
  text "P95" at 5015,1750 h30 r90
  text "P139" at 5115,1750 h30 r90
  text "P56" at 5215,1750 h30 r90
  text "P97" at 5320,1750 h30 r90
  text "P94" at 5415,1750 h30 r90
  text "P65" at 5515,1750 h30 r90
  text "P52" at 5615,1750 h30 r90
  text "P41" at 5720,1750 h30 r90
  text "P40" at 5815,1750 h30 r90
  text "3V3" at 2435,1730 h60 r90
  text "3V3" at 4935,1730 h60 r90
Top Solder:
  rectangle: 1560,2585 1620,2635
Dimension:
  the board outline again, w10
Drill Drawing:
  drawing of 163 lines, arcs and shapes, not listed
  text "1" at 1247.98,12968.02 h137.5
  text "2" at 3521.6,12968.02 h137.5
  text "3" at 5795.22,12968.02 h137.5
  text "4" at 8068.84,12968.02 h137.5
  text "5" at 10342.46,12968.02 h137.5
  text "6" at 12616.09,12968.02 h137.5
  text "7" at 14889.71,12968.02 h137.5
  text "8" at 17163.33,12968.02 h137.5
  text "REVISIONS" at 15439.71,12729.84 h137.5
  text "REV" at 13891.64,12562.45 h51.7
  text "ACTION" at 14312.55,12557.83 h51.7
  text "DATE" at 16654.37,12557.83 h51.7
  text "AUTH" at 17520.51,12557.83 h51.7
  text "REV2.0" at 13805.31,12341.3 h51.7
  text "2017/05/17" at 16449.76,12341.3 h51.7
  text "Jessie.Yan" at 17315.9,12341.3 h51.7
  text "REV2.0" at 13815.31,12131.3 h51.7
  text "Jessie.Yan" at 17300.9,12126.3 h51.7
  text "Updated silkscreen and added CE logo" at 14300.9,12116.3 h51.7
  text "2017/07/26" at 16449.76,12106.3 h51.7
  text "LAYERS LAMINATION & IMPENDANCE  CONTROL" at 2382.62,11928.65 h137.5
  text "IMPEDANCE" at 5799.04,11740.72 h51.7
  text "LAYERS STACKUP" at 1394.48,11626.73 h51.7
  text "LAYER" at 2462.09,11626.73 h51.7
  text "MATERIAL" at 2820.79,11626.73 h51.7
  text "THICKNESS" at 3250.72,11626.73 h51.7
  text "LAYER TYPE" at 3745.62,11626.73 h51.7
  text "SINGLE 50ohm+/-10%" at 4402.05,11610.8 h51.7
  text "DIFFERENCE 90ohm-/+10%" at 5470.14,11610.8 h51.7
  text "DIFFERENCE 100ohm-/+10%" at 6614.13,11610.8 h51.7
  text "Line width(mil)" at 4477.95,11502.53 h51.7
  text "Line width/Space(mil)" at 5473.79,11502.53 h51.7
  text "Line width/Space(mil)" at 6664.73,11502.53 h51.7
  text "D" at 165.3,11452.28 h137.5
  text "D" at 18137.74,11452.28 h137.5
  text "W:4.9/S:8.1" at 5705.14,11372.61 h51.7
  text "COPPER" at 2870.37,11366.89 h51.7
  text "1 OZ" at 3396.34,11366.89 h51.7
  text "ROUTING" at 3819.99,11366.89 h51.7
  text "5 mil" at 4759.9,11350.96 h51.7
  text "TOP" at 1602.23,11345.24 h51.7
  text "TOP" at 2468.37,11345.24 h51.7
  text "FR4" at 2944.75,11193.66 h51.7
  text "PREPREG" at 2363.42,11177.73 h51.7
  text "3 mil" at 3319.82,11177.73 h51.7
  text "PREPREG" at 1503.06,11172.01 h51.7
  text "PLANE" at 3843.16,11026.15 h51.7
  text "COPPER" at 2880.65,11021.73 h51.7
  text "1 OZ" at 3396.34,11020.43 h51.7
  text "L2 INNER" at 2338.12,11004.5 h51.7
  text "L2 INNER" at 1478.27,10998.78 h51.7
  text "FR4" at 2945.61,10848.5 h51.7
  text "PREPREG" at 2363.42,10831.27 h51.7
  text "3.937 mil" at 3243.92,10831.27 h51.7
  text "PREPREG" at 1503.06,10825.55 h51.7
  text "NOTE" at 13772.39,10718.58 h137.5
  text "5 mil" at 4766.97,10679.7 h51.7
  text "COPPER" at 2880.65,10675.28 h51.7
  text "W:5.1/S:7.9" at 5652.31,10675.28 h51.7
  text "1 OZ" at 3396.34,10673.98 h51.7
  text "L3 INNER" at 2338.12,10658.04 h51.7
  text "ROUTING" at 3792.56,10658.04 h51.7
  text "L3 INNER" at 1478.27,10652.32 h51.7
  text "FR4" at 2945.61,10502.05 h51.7
  text "PREPREG" at 2363.42,10484.81 h51.7
  text "39.3 mil" at 3269.22,10484.81 h51.7
  text "PREPREG" at 1503.06,10479.09 h51.7
  text "1. ACCEPTABILITY:" at 13770.89,10435.79 h51.7
  text "COPPER" at 2880.65,10328.82 h51.7
  text "1 OZ" at 3378.69,10328.82 h51.7
  text "5 mil" at 4764.51,10328.82 h51.7
  text "PRINTED WIRING BOARD SHALL MEET THE REQUIREMENTS OF IPC- 6012C CLASS 2." at 13972.65,10327.52 h51.7
  text "L4 INNER" at 2338.12,10311.59 h51.7
  text "ROUTING" at 3770.9,10311.59 h51.7
  text "L4 INNER" at 1478.27,10305.87 h51.7
  text "3.937 mil" at 3248.76,10155.59 h51.7
  text "PREPREG" at 2363.42,10138.36 h51.7
  text "FR4" at 2941,10138.36 h51.7
  text "PREPREG" at 1503.06,10132.64 h51.7
  text "2. MATERIAL:" at 13770.89,10110.98 h51.7
  text "GLASS EPOXY FR-4 FIRE RETARDANT AND UL 94V-0 RATING MATERIAL SHOULD MEET" at 13972.65,10002.72 h51.7
  text "1 OZ" at 3348.77,9986.78 h51.7
  text "PLANE" at 3833.41,9982.36 h51.7
  text "L5 INNER" at 2338.12,9965.13 h51.7
  text "COPPER" at 2886.75,9965.13 h51.7
  text "L5 INNER" at 1478.27,9959.41 h51.7
  text "IPC-4101C" at 13972.65,9894.45 h51.7
  text "3 mil" at 3270.42,9809.13 h51.7
  text "PREPREG" at 2363.42,9791.9 h51.7
  text "FR4" at 2902.31,9787.48 h51.7
  text "PREPREG" at 1503.06,9786.18 h51.7
  text "3. FABRICATION REQUIREMENTS:" at 13770.89,9677.91 h51.7
  text "BOTTOM" at 1544.23,9618.67 h51.7
  text "BOTTOM" at 2388.72,9618.67 h51.7
  text "1 OZ" at 3348.77,9618.67 h51.7
  text "COPPER" at 2859,9614.25 h51.7
  text "ROUTING" at 3768.45,9614.25 h51.7
  text "5 mil" at 4764.51,9614.25 h51.7
  text "A). FAB TO MEET THE REQUIREMENTS PER IPC-A-600, CLASS 2" at 13972.65,9569.65 h51.7
  text "B). ALL ARTWORK OR ELECTRONIC DATA MAY BE ADJUSTED BY THE BOARD" at 13972.65,9461.38 h51.7
  text "MANUFACTURER TO COMPENSATE FOR MANUFACTURING PROCESS TOLERANCES," at 14167.53,9353.11 h51.7
  text "ADDITION OF FILLETS TEARDROPS AT LINE / PAD INTERFACE IS PREFERRED." at 14167.53,9244.84 h51.7
  text "THIEVING IS ALLOWED TO COMPENSATE FOR HIGH COPPER DENSITY AREAS" at 14167.53,9136.58 h51.7
  text "1.6MM+/-10%" at 4981.05,9116.22 h137.5
  text "THE TOTAL THICKNESS:" at 2010.01,9113.69 h137.5
  text "C). FABRICATE ACCORDING TO THE FILES PART NO:" at 13972.65,9028.31 h51.7
  text "10010010000519-20_ LAUNCHXL-F28379_GERBER_Rev2.0 FILE FOR MANUFACTURING" at 14167.53,8920.04 h51.7
  text "D). SOLDER MASK COLOR RED ,SILKSCREEN COLOR  WHITE" at 13972.65,8811.77 h51.7
  text "E). FINISH ENIG" at 13972.65,8703.5 h51.7
  text "4. FABRICATION TOLERANCE:" at 13770.89,8486.97 h51.7
  text "A). WIRE WIDTH TOLERANCE INTERNAL CONTROL STANDARD +/-20%" at 13972.65,8378.7 h51.7
  text "B). PTH  DIAMETER TOLERANCE +/-0.076mm,NPTH DIAMETER TOLERANCE +/-0.05mm" at 13972.65,8270.43 h51.7
  text "C" at 165.3,8204.24 h137.5
  text "C" at 18137.74,8204.24 h137.5
  text "C). ALL OUTER LAYER PADS REQUIRE +/-0.05mm TOLERANCE." at 13972.65,8162.17 h51.7
  text "D). LAYER REGISTRATION BETWEEN ADJACENT LAYER MAXIMUN 150um, THE INTERLAYER" at 13972.65,8053.9 h51.7
  text "DIELECTRIC THICKNESS TOLERANCE +/-15%" at 14167.53,7945.63 h51.7
  text "E). THICKNESS IS LESS THAN 1mm PCB TO A TOLERANCE OF +/-0.1mm,THICKNESS IS" at 13972.65,7837.36 h51.7
  text "GREATER THAN OR EQUAL TO 1mm PCB TO A TOLERANCE OF +/-10%" at 14167.53,7729.09 h51.7
  text "5. SOLDER MASK:" at 13770.89,7512.56 h51.7
  text "A). MATERIALS IN ACCORDANCE WITH IPC-SM-840E CLASS T STANDARDS AND ROHS" at 13972.65,7404.29 h51.7
  text "REQUIREMENTS" at 14167.53,7296.02 h51.7
  text "B). SOLDER MASK BOTH PRIMARY AND SECONDARY SIDES, THE ADHESION OF SOLDER" at 13972.65,7187.76 h51.7
  text "MASK MEET THE REQUIREMENTS OF IPC-A-600F LEVEL 2" at 14167.53,7079.49 h51.7
  text "C). SOLDER MASK COVERAGE ON THE MIDDLE OF THE COPPER WIRE MINIMUM 10um,EDGE" at 13972.65,6971.22 h51.7
  text "COVERAGE OF THE COPPER WIRE MINIMUM 4um, SOLDER MASK MISREGISTRATION" at 14167.53,6862.95 h51.7
  text "MAXIM 2.5mil" at 14167.53,6754.69 h51.7
  text "D). ALL HOLES WITH SOLDER MASK COVERED IN THE GERBER SHOULD BE PULGED" at 13972.65,6646.42 h51.7
  text "E). SOLDER MASK BRIDGE BETWEEN PADS SHOULD BE MINIMUM 0.10mm" at 13972.65,6538.15 h51.7
  text "6. FINISH:" at 13770.89,6321.61 h51.7
  text "A). ENIG, GOLD THICKNESS IS 0.05 um ~0.23um,NICKEL THICKNESS IS 3 um ~6 um." at 13972.65,6213.35 h51.7
  text "7. SILKSCREEN:" at 13770.89,5780.28 h51.7
  text "A). PRIMARY AND SECONDARY SIDES USING A GLOSSY , NON-CONDUCTIVE, RoHS COMPLIANT," at 13972.65,5672.01 h51.7
  text "EPOXY BASED INK" at 14167.53,5563.74 h51.7
  text "B). NO SILKSCREEN ALLOWED ON PADS OR IN HOLES" at 13972.65,5455.47 h51.7
  text "C). MANUFACTUREERS CAN ADD SYMBOL IN SILKSCREEN LAYER OR SOLDER MASK LAYER," at 13972.65,5347.2 h51.7
  text "ALLOW TO INCREASE SYMBOL :ASSEMBLY REF , DATE CODE, LEAD-FREE SYMBOL, UL FILE" at 14167.53,5238.94 h51.7
  text "NUMBER,UL TYPE, UL SYMBOL AND FIRE RATING,NO LIST DOES NOT ALLOW TO INCREASE." at 14167.53,5130.67 h51.7
  text "B" at 165.3,4956.21 h137.5
  text "B" at 18137.74,4956.21 h137.5
  text "8. BOW AND TWIST:" at 13770.89,4914.13 h51.7
  text "MAX BOW & TWIST OF PCB SHALL NOT EXCEED 0.75% OF MAXIMUN DIMENSION," at 13972.65,4805.87 h51.7
  text "MEASUREMENT METHOD IN 2.4.22 OF IPC-TM-650 IS FOR REFERENCE" at 13972.65,4697.6 h51.7
  text "9. MEASUREMENTS:" at 13770.89,4481.06 h51.7
  text "INTERPRET ALL DIMENSIONS AND TOLERANCES PER IPC-D-300G, CLASS B AND ALL" at 13972.65,4372.8 h51.7
  text "DIMENSIONS ARE METRIC, DIMENSIONS ARE AFTER ETCHING AND PLATING." at 13972.65,4264.53 h51.7
  text "10.ENVIRONMENTAL:" at 13770.89,4047.99 h51.7
  text "THE  PCB SUPPLIER SHALL PROVIDE A SIGNED CERTIFICATE OF COMPLIANCE BY" at 13972.65,3939.72 h51.7
  text "AUTHORIZED QA  REPRESENTATIVE. THE BASE MATERIAL OF PCB SHALL NOT CONTAIN THE" at 13972.65,3831.46 h51.7
  text "BANNED SUBSTANCES LISTED IN THE CERTIFICATE OF COMPLIANCE." at 13972.65,3723.19 h51.7
  text "A" at 165.3,1708.18 h137.5
  text "A" at 18137.74,1708.18 h137.5
  text "Embest Technology co.,Ltd." at 14131.83,1383.38 h137.5
  text "TITLE:" at 14671.45,1081.46 h51.7
  text "LAUNCHXL-F28379" at 15005.9,1074.3 h51.7
  text "PART NUMBER:" at 14683.37,864.92 h51.7
  text "ELEC ENGR:" at 16514.72,864.92 h51.7
  text "Jack. Lei" at 17064.9,864.3 h51.7
  text "1001001000519-20" at 15341.9,860.3 h51.7
  text "ADD:" at 14683.9,648.39 h51.7
  text "REV:" at 16515.25,648.39 h51.7
  text "REV2.0" at 16772.9,645.3 h51.7
  text "www.embest-tech.com" at 14684.43,491.18 h51.7
  text "DATE:" at 16522.39,433.15 h51.7
  text "2017/05/17" at 16827.9,420.3 h51.7
  text "1" at 1247.98,192.43 h137.5
  text "2" at 3521.6,192.43 h137.5
  text "3" at 5795.22,192.43 h137.5
  text "4" at 8068.84,192.43 h137.5
  text "5" at 10342.46,192.43 h137.5
  text "6" at 12616.09,192.43 h137.5
  text "7" at 14889.71,192.43 h137.5
  text "8" at 17163.33,192.43 h137.5
Unrouted:
  lines w0: 1458.11,1926.89 1459.11,1942.01 ; 2626.5,2970 2627.5,2970 ; 2800.5,3138 2800.5,3139 ; 3911.91,1961.09 3912,1961 ; 3977.46,3132.54 3978.06,3132.98 ; 4900,1935 4903.74,1938.74 ; 5778.5,2480 5779.81,2478.68
130bmp:
  lines w16: 1000,3630 6530,3630 6530,3580 ; 1020,1840 7060,1840 ; 2400,1250 2400,4220 ; 4900,1000 4900,4320
201bmp:
  circle w7.87: c2296,2731.5 r76.66
  circle w7.87: c3197,2106 r76.66
  circle w7.87: c4944.5,2830 r76.66
  rectangle: 4839.5,2230 4855,2259
  rectangle: 4384.5,2230 4400,2259
  rectangle: 4384.5,2105.5 4400,2134.5
  rectangle: 4841,2104.5 4856.5,2133.5
  lines w16: 2064,2008 2065,2008 2065,3472.5 2159.5,3472.5 ; 2067,2007.5 5148.5,2005 5149,3469.5 2158,3472

## Dimensions
4947.5,2239.5 to 4946.5,2830 on tDocu
4848.5,2239.5 to 4944.5,2239.5 on tDocu
4944.5,2829.5 to 3196.5,2742 on tDocu
2296,2829.5 to 2296,2729.5 on tDocu

## Text inside footprints (layer, text, board x,y; h text height)
S1: Top Overlay "ON" at 3072.34,2346.44 h25 r90
TP1: tTest ">TP_SIGNAL_NAME" at 3380.33,3628.43 h61.02
TP11: tTest ">TP_SIGNAL_NAME" at 1735,1750 h61.02
TP12: tTest ">TP_SIGNAL_NAME" at 3380.53,3210.88 h61.02 r270
TP13: tTest ">TP_SIGNAL_NAME" at 2195,3060 h61.02 r180
TP14: tTest ">TP_SIGNAL_NAME" at 1805,3560 h61.02
TP15: tTest ">TP_SIGNAL_NAME" at 1585,1750 h61.02
TP16: tTest ">TP_SIGNAL_NAME" at 1515,2800 h61.02
TP17: tTest ">TP_SIGNAL_NAME" at 1175,2580 h61.02
TP21: tTest ">TP_SIGNAL_NAME" at 2215,1860 h61.02
TP22: tTest ">TP_SIGNAL_NAME" at 2203.44,3717 h61.02
TP23: tTest ">TP_SIGNAL_NAME" at 6005,3030 h61.02
TP24: tTest ">TP_SIGNAL_NAME" at 5891.08,3230.17 h61.02
TP30: tTest ">TP_SIGNAL_NAME" at 1205,3260 h61.02
U$22: Bottom Overlay "C:/Documents and Settings/gk29/×ÀÃæ/F28379D_LP_Rear_Silk_Template_80Pin.bmp" at 1150,1549.88 h2.55